# KiCad board woodpecker.kicad_pcb (continued)
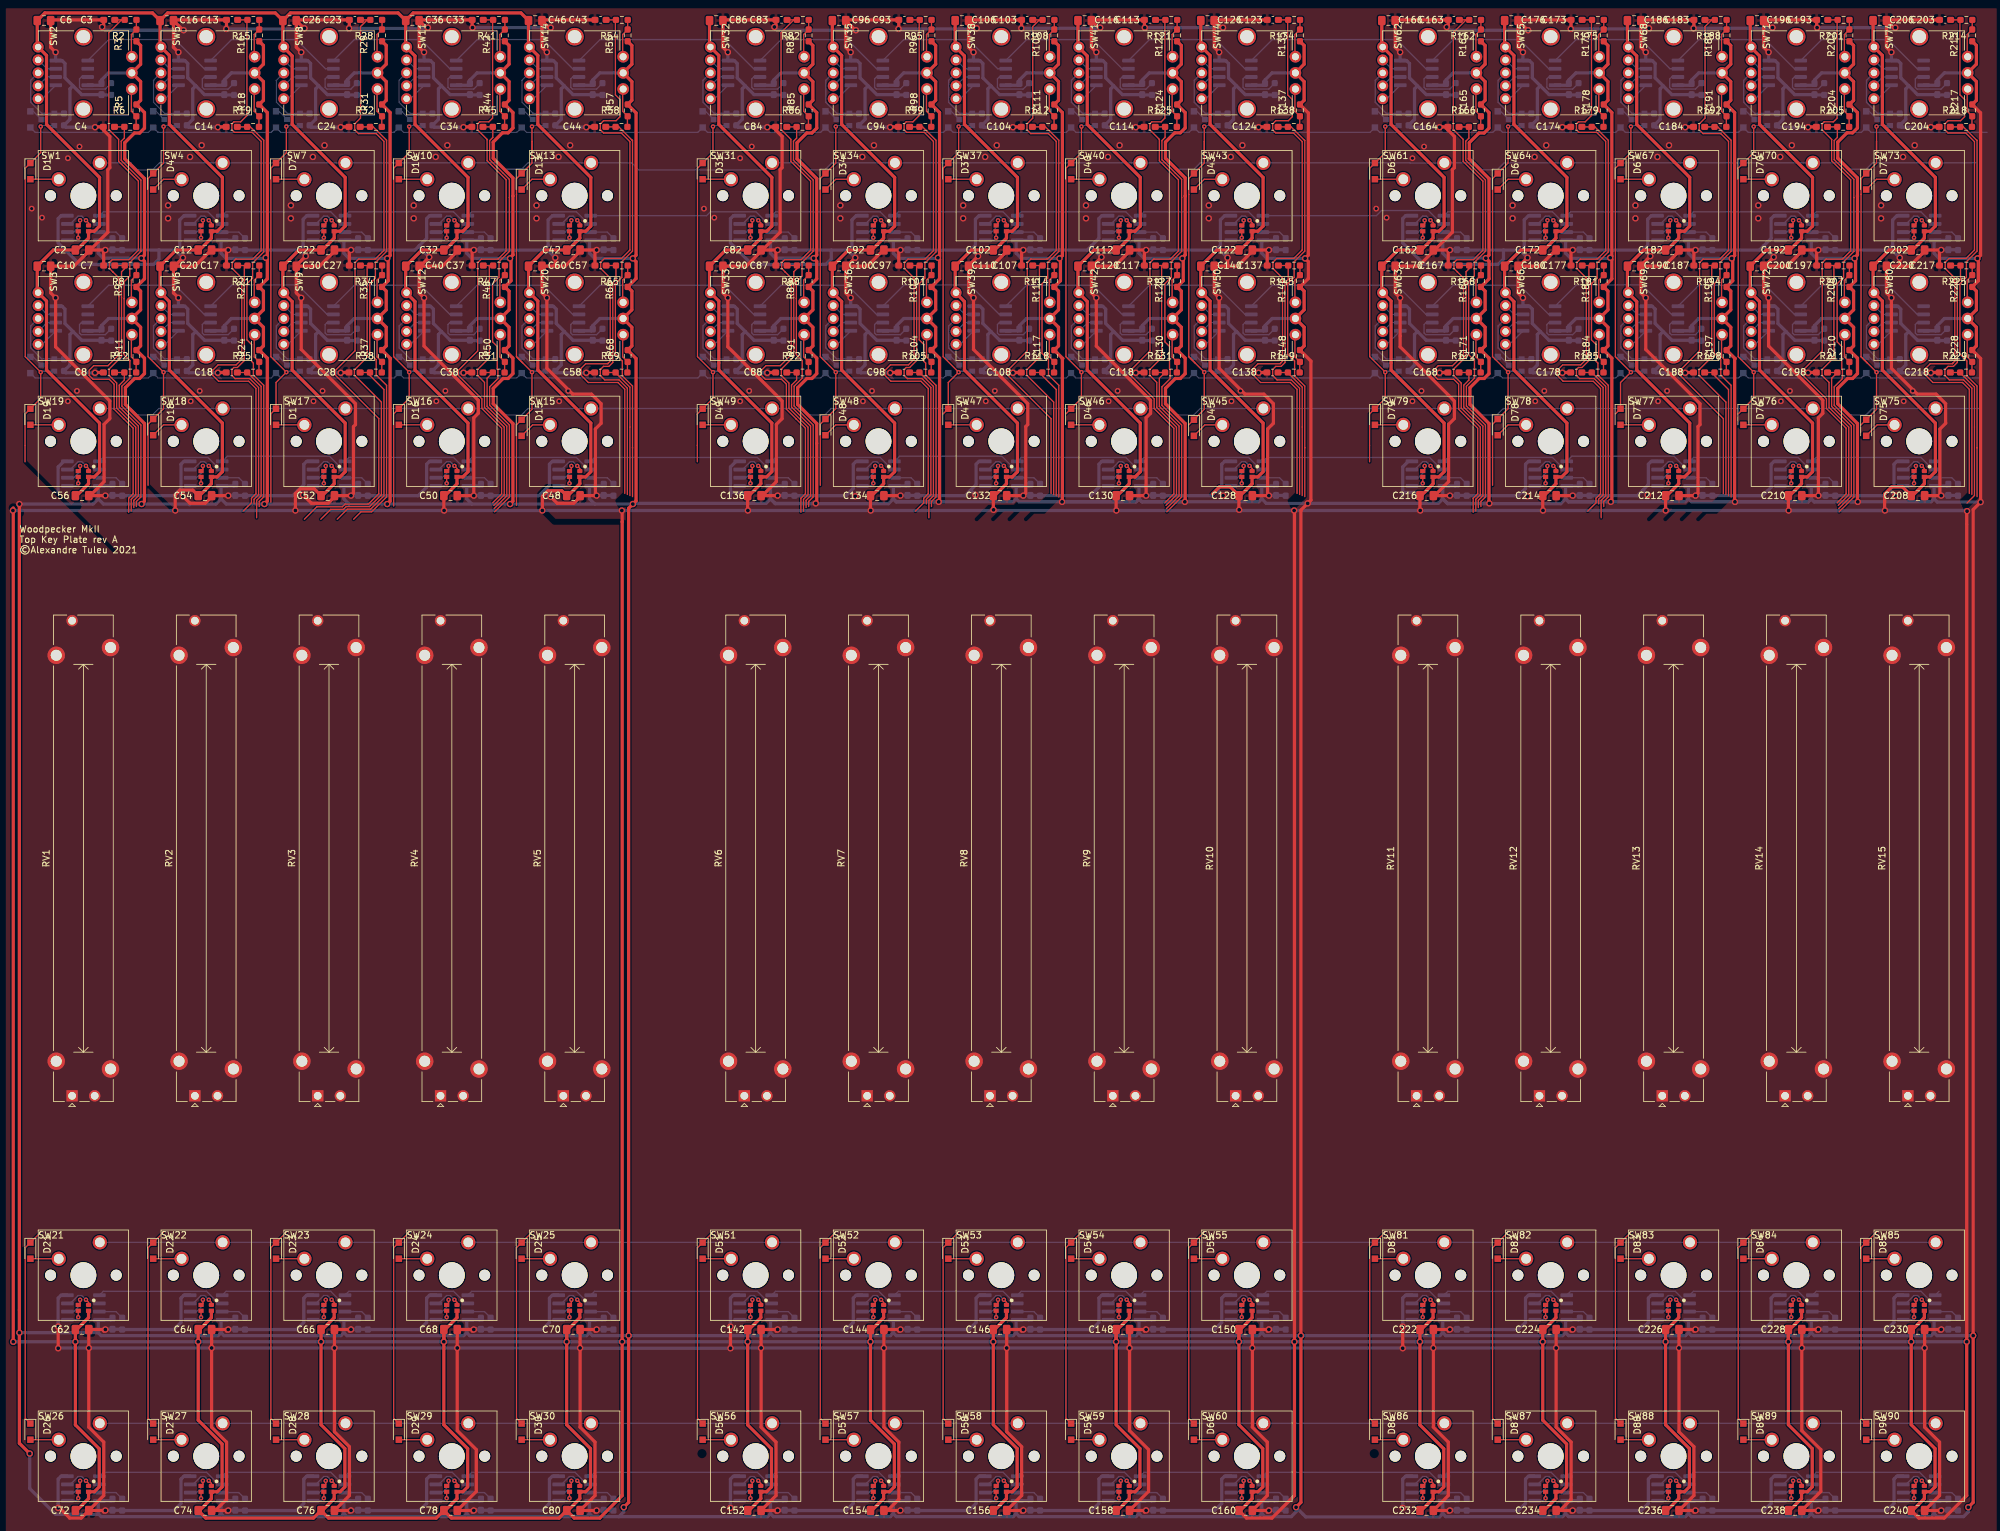
[diagram p0: board, top side]
## Routing (per net, layer and track width the routed paths; a pad name or vN(x,y) marks a point on that pad's centre or on a via; arc(x,y) is an arc through that point) (continued)
  vias: v1(21.3,201.9) v1(21.3,199.9) v1(24.7,209.4) v1(26.5,211.2) v1(40.3,201.9) v1(40.3,199.9) v1(43.7,209.4) v1(45.5,211.2) v1(59.3,201.9) v1(59.3,199.9) v1(62.7,209.4) v1(64.5,211.2) v1(78.3,201.9) v1(78.3,199.9) v1(81.7,209.4) v1(83.5,211.2) v1(125.3,201.9) v1(125.3,199.9) v1(128.7,209.4) v1(130.5,211.2) v1(144.3,201.9) v1(144.3,199.9) v1(147.7,209.4) v1(149.5,211.2) v1(163.3,201.9) v1(163.3,199.9) v1(166.7,209.4) v1(168.5,211.2) v1(182.3,201.9) v1(182.3,199.9) v1(185.7,209.4) v1(187.5,211.2) v1(229.3,201.9) v1(229.3,199.9) v1(232.7,209.4) v1(234.5,211.2) v1(248.3,201.9) v1(248.3,199.9) v1(251.7,209.4) v1(253.5,211.2) v1(267.3,201.9) v1(267.3,199.9) v1(270.7,209.4) v1(272.5,211.2) v1(286.3,201.9) v1(286.3,199.9) v1(289.7,209.4) v1(291.5,211.2) v2(0.2,201.4) v2(1.8,200) v2(5.8,209.2) v2(5.8,171.6) v2(7.2,173.2) v2(7.6,211) v2(24.8,171.6) v2(26.2,173.2) v2(43.8,171.6) v2(45.2,173.2) v2(62.8,171.6) v2(64.2,173.2) v2(81.8,171.6) v2(83.2,173.2) v2(104.2,201.4) v2(105.8,200) v2(109.8,209.2) v2(109.8,171.6) v2(111.2,173.2) v2(111.6,211) v2(128.8,171.6) v2(130.2,173.2) v2(147.8,171.6) v2(149.2,173.2) v2(166.8,171.6) v2(168.2,173.2) v2(185.8,171.6) v2(187.2,173.2) v2(208.2,201.4) v2(209.8,200) v2(213.8,209.2) v2(213.8,171.6) v2(215.2,173.2) v2(215.6,211) v2(232.8,171.6) v2(234.2,173.2) v2(251.8,171.6) v2(253.2,173.2) v2(270.8,171.6) v2(272.2,173.2) v2(289.8,171.6) v2(291.2,173.2)
(no net): length 1.7
  Bottom w0.2: 295.28,5.91 U90.5 ; 295.28,33.91 U85.5
/BottomSection_1/C1: length 90.1
  Top w0.2: v3(1.6,214.1) 1.6,210.05 D1.1 -0.8,207.65 -0.8,178.5 v3(1.6,176.1) 1.6,172.05 D19.1 -0.82,169.62 -0.82,162.24 ; 1.6,43.05 D21.1 -0.8,40.65 -0.8,14.25 D26.1
  Bottom w0.2: v3(1.6,214.1) 1.75,214.25 Q1.2 ; v3(1.6,176.1) 1.75,176.25 Q2.2
/BottomSection_1/C2: length 93.7
  Top w0.2: 18.2,158.6 18.2,168.05 D18.1 20.6,170.45 v3(20.6,176.1) 18.2,178.5 18.2,206.05 D4.1 20.6,208.45 v3(20.6,214.1) ; 20.6,43.05 D22.1 18.2,40.65 18.2,14.25 D27.1
  Bottom w0.2: Q4.2 20.75,176.25 v3(20.6,176.1) ; Q3.2 20.75,214.25 v3(20.6,214.1)
/BottomSection_1/C3: length 96.3
  Top w0.2: v3(39.6,214.1) 39.6,210.05 D7.1 37.2,207.65 37.2,178.5 v3(39.6,176.1) 38,174.5 D17.1 37.2,169.65 37.2,156 ; 39.6,43.05 D23.1 37.2,40.65 37.2,14.25 D28.1
  Bottom w0.2: v3(39.6,176.1) 39.75,176.25 Q6.2 ; v3(39.6,214.1) 39.75,214.25 Q5.2
/BottomSection_1/C4: length 96.9
  Top w0.2: v3(58.6,214.1) 58.6,210.05 D10.1 56.2,207.65 56.2,178.5 v3(58.6,176.1) 58.6,172.05 D16.1 56.2,169.65 56.2,155.4 ; 58.6,43.05 D24.1 56.2,40.65 56.2,14.25 D29.1
  Bottom w0.2: v3(58.6,214.1) 58.75,214.25 Q7.2 ; v3(58.6,176.1) 58.75,176.25 Q8.2
/BottomSection_1/C5: length 99.9
  Top w0.2: 75.2,178.5 76.15,177.55 ; 75.2,178.5 75.2,203.61 75.2,206.05 D13.1 77.6,208.45 77.6,211.8 ; 75.2,178.5 76.15,177.55 ; 76.15,177.55 v3(77.6,176.1) 77.6,170.35 D15.1 75.2,167.95 75.2,155.5 ; 77.6,211.8 77.6,210.05 ; 77.6,211.8 v3(77.6,214.1) ; 77.6,43.05 D25.1 75.2,40.65 75.2,14.25 D30.1
  Bottom w0.2: Q9.2 77.75,214.25 v3(77.6,214.1) ; v3(77.6,176.1) 77.75,176.25 Q10.2
/BottomSection_1/MX_B_2/DI: length 20
  Bottom w0.2: U21.5 11.28,33.91 27.26,33.91 29.13,32.03 U22.6
/BottomSection_1/MX_B_3/DI: length 20
  Bottom w0.2: U22.5 30.28,33.91 46.46,33.91 48.33,32.03 U23.6
/BottomSection_1/MX_B_4/DI: length 20
  Bottom w0.2: U23.5 49.28,33.91 65.46,33.91 67.33,32.03 U24.6
/BottomSection_1/MX_B_5/DI: length 20
  Bottom w0.2: U24.5 68.28,33.91 84.46,33.91 86.33,32.03 U25.6
/BottomSection_1/MX_B_7/DI: length 20
  Bottom w0.2: U26.5 11.28,5.91 27.26,5.91 29.13,4.03 U27.6
/BottomSection_1/MX_B_8/DI: length 20
  Bottom w0.2: U27.5 30.28,5.91 46.46,5.91 48.33,4.03 U28.6
/BottomSection_1/MX_B_9/DI: length 20
  Bottom w0.2: U28.5 49.28,5.91 65.26,5.91 67.13,4.03 U29.6
/BottomSection_1/MX_B_10/DI: length 20
  Bottom w0.2: U29.5 68.28,5.91 84.26,5.91 86.13,4.03 U30.6
/BottomSection_1/R5: length 284
  Bottom w0.2: SW85.5 SW84.5 SW83.5 SW82.5 SW81.5 SW55.5 SW54.5 SW53.5 SW52.5 SW51.5 SW25.5 SW24.5 SW23.5 SW22.5 SW21.5
/BottomSection_1/R6: length 284
  Bottom w0.2: SW90.5 SW89.5 SW88.5 SW87.5 SW86.5 SW60.5 SW59.5 SW58.5 SW57.5 SW56.5 SW30.5 SW29.5 SW28.5 SW27.5 SW26.5
/BottomSection_2/C1: length 90.1
  Top w0.2: 105.6,43.05 D51.1 103.2,40.65 103.2,14.25 D56.1 ; v3(105.6,214.1) 105.6,210.05 D31.1 103.2,207.65 103.2,178.5 v3(105.6,176.1) 105.6,172.05 D49.1 103.17,169.62 103.17,162.24
  Bottom w0.2: v3(105.6,176.1) 105.75,176.25 Q12.2 ; v3(105.6,214.1) 105.75,214.25 Q11.2
/BottomSection_2/C2: length 93.7
  Top w0.2: 124.6,43.05 D52.1 122.2,40.65 122.2,14.25 D57.1 ; v3(124.6,214.1) 124.6,208.45 D34.1 122.2,206.05 122.2,178.5 v3(124.6,176.1) 124.6,170.45 D48.1 122.2,168.05 122.2,158.6
  Bottom w0.2: v3(124.6,214.1) 124.75,214.25 Q13.2 ; v3(124.6,176.1) 124.75,176.25 Q14.2
/BottomSection_2/C3: length 82.7
  Top w0.2: 143.6,43.05 D53.1 141.2,40.65 141.2,14.25 D58.1 ; v3(143.6,214.1) 143.6,210.05 D37.1 141.2,207.65 141.2,178.5 v3(143.6,176.1) 142,174.5 D47.1 141.2,169.65
  Bottom w0.2: v3(143.6,214.1) 143.75,214.25 Q15.2 ; v3(143.6,176.1) 143.75,176.25 Q16.2
/BottomSection_2/C4: length 82.7
  Top w0.2: 162.6,43.05 D54.1 160.2,40.65 160.2,14.25 D59.1 ; v3(162.6,214.1) 162.6,210.05 D40.1 160.2,207.65 160.2,178.5 v3(162.6,176.1) 162.6,172.05 D46.1 160.2,169.65
  Bottom w0.2: v3(162.6,214.1) 162.75,214.25 Q17.2 ; v3(162.6,176.1) 162.75,176.25 Q18.2
/BottomSection_2/C5: length 87.5
  Top w0.2: 181.6,43.05 D55.1 179.2,40.65 179.2,14.25 D60.1 ; 181.6,211.8 181.6,208.45 D43.1 179.2,206.05 179.2,203.61 179.2,178.5 ; 181.6,211.8 181.6,210.05 ; 181.6,211.8 v3(181.6,214.1) ; 179.2,178.5 180.15,177.55 ; 179.2,178.5 180.15,177.55 ; 180.15,177.55 v3(181.6,176.1) 181.6,170.35 D45.1 179.2,167.95
  Bottom w0.2: v3(181.6,214.1) 181.75,214.25 Q19.2 ; v3(181.6,176.1) 181.75,176.25 Q20.2
/BottomSection_2/DI5: length 29
  Bottom w0.2: U25.5 87.28,33.91 112.46,33.91 114.33,32.03 U51.6
/BottomSection_2/DI6: length 29
  Bottom w0.2: U30.5 87.28,5.91 112.46,5.91 114.33,4.03 U56.6
/BottomSection_2/MX_B_2/DI: length 20
  Bottom w0.2: U51.5 115.28,33.91 131.26,33.91 133.13,32.03 U52.6
/BottomSection_2/MX_B_3/DI: length 20
  Bottom w0.2: U52.5 134.28,33.91 150.46,33.91 152.33,32.03 U53.6
/BottomSection_2/MX_B_4/DI: length 20
  Bottom w0.2: U53.5 153.28,33.91 169.46,33.91 171.33,32.03 U54.6
/BottomSection_2/MX_B_5/DI: length 20
  Bottom w0.2: U54.5 172.28,33.91 188.46,33.91 190.33,32.03 U55.6
/BottomSection_2/MX_B_7/DI: length 20
  Bottom w0.2: U56.5 115.28,5.91 131.26,5.91 133.13,4.03 U57.6
/BottomSection_2/MX_B_8/DI: length 20
  Bottom w0.2: U57.5 134.28,5.91 150.46,5.91 152.33,4.03 U58.6
/BottomSection_2/MX_B_9/DI: length 20
  Bottom w0.2: U58.5 153.28,5.91 169.26,5.91 171.13,4.03 U59.6
/BottomSection_2/MX_B_10/DI: length 20
  Bottom w0.2: U59.5 172.28,5.91 188.26,5.91 190.13,4.03 U60.6
/BottomSection_3/C1: length 90.1
  Top w0.2: 209.6,43.05 D81.1 207.2,40.65 207.2,14.25 D86.1 ; v3(209.6,214.1) 209.6,210.05 D61.1 207.2,207.65 207.2,178.5 v3(209.6,176.1) 209.6,172.05 D79.1 207.17,169.62 207.17,162.24
  Bottom w0.2: v3(209.6,176.1) 209.75,176.25 Q22.2 ; v3(209.6,214.1) 209.75,214.25 Q21.2
/BottomSection_3/C2: length 93.7
  Top w0.2: 228.6,43.05 D82.1 226.2,40.65 226.2,14.25 D87.1 ; v3(228.6,214.1) 228.6,208.45 D64.1 226.2,206.05 226.2,178.5 v3(228.6,176.1) 228.6,170.45 D78.1 226.2,168.05 226.2,158.6
  Bottom w0.2: v3(228.6,214.1) 228.75,214.25 Q23.2 ; v3(228.6,176.1) 228.75,176.25 Q24.2
/BottomSection_3/C3: length 82.7
  Top w0.2: 247.6,43.05 D83.1 245.2,40.65 245.2,14.25 D88.1 ; v3(247.6,214.1) 247.6,210.05 D67.1 245.2,207.65 245.2,178.5 v3(247.6,176.1) 246,174.5 D77.1 245.2,169.65
  Bottom w0.2: v3(247.6,214.1) 247.75,214.25 Q25.2 ; v3(247.6,176.1) 247.75,176.25 Q26.2
/BottomSection_3/C4: length 82.7
  Top w0.2: 266.6,43.05 D84.1 264.2,40.65 264.2,14.25 D89.1 ; v3(266.6,214.1) 266.6,210.05 D70.1 264.2,207.65 264.2,178.5 v3(266.6,176.1) 266.6,172.05 D76.1 264.2,169.65
  Bottom w0.2: v3(266.6,214.1) 266.75,214.25 Q27.2 ; v3(266.6,176.1) 266.75,176.25 Q28.2
/BottomSection_3/C5: length 87.5
  Top w0.2: 285.6,43.05 D85.1 283.2,40.65 283.2,14.25 D90.1 ; 285.6,211.8 285.6,208.45 D73.1 283.2,206.05 283.2,203.61 283.2,178.5 ; 285.6,211.8 285.6,210.05 ; 285.6,211.8 v3(285.6,214.1) ; 283.2,178.5 284.15,177.55 ; 283.2,178.5 284.15,177.55 ; 284.15,177.55 v3(285.6,176.1) 285.6,170.35 D75.1 283.2,167.95
  Bottom w0.2: v3(285.6,214.1) 285.75,214.25 Q29.2 ; v3(285.6,176.1) 285.75,176.25 Q30.2
/BottomSection_3/DI5: length 29
  Bottom w0.2: U55.5 191.28,33.91 216.46,33.91 218.33,32.03 U81.6
/BottomSection_3/DI6: length 29
  Bottom w0.2: U60.5 191.28,5.91 216.46,5.91 218.33,4.03 U86.6
/BottomSection_3/MX_B_2/DI: length 20
  Bottom w0.2: U81.5 219.28,33.91 235.26,33.91 237.13,32.03 U82.6
/BottomSection_3/MX_B_3/DI: length 20
  Bottom w0.2: U82.5 238.28,33.91 254.46,33.91 256.33,32.03 U83.6
/BottomSection_3/MX_B_4/DI: length 20
  Bottom w0.2: U83.5 257.28,33.91 273.46,33.91 275.33,32.03 U84.6
/BottomSection_3/MX_B_5/DI: length 20
  Bottom w0.2: U84.5 276.28,33.91 292.46,33.91 294.33,32.03 U85.6
/BottomSection_3/MX_B_7/DI: length 20
  Bottom w0.2: U86.5 219.28,5.91 235.26,5.91 237.13,4.03 U87.6
/BottomSection_3/MX_B_8/DI: length 20
  Bottom w0.2: U87.5 238.28,5.91 254.46,5.91 256.33,4.03 U88.6
/BottomSection_3/MX_B_9/DI: length 20
  Bottom w0.2: U88.5 257.28,5.91 273.26,5.91 275.13,4.03 U89.6
/BottomSection_3/MX_B_10/DI: length 20
  Bottom w0.2: U89.5 276.28,5.91 292.26,5.91 294.13,4.03 U90.6
/TopSection_1/MX_2/DI: length 20
  Bottom w0.2: U4.6 29.33,199.03 27.46,200.91 11.28,200.91 U1.5
/TopSection_1/MX_3/DI: length 20
  Bottom w0.2: U4.5 30.28,200.91 46.46,200.91 48.33,199.03 U7.6
/TopSection_1/MX_4/DI: length 20
  Bottom w0.2: U10.6 67.33,199.03 65.46,200.91 49.28,200.91 U7.5
/TopSection_1/MX_5/DI: length 20
  Bottom w0.2: U13.6 86.33,199.03 84.46,200.91 68.28,200.91 U10.5
/TopSection_1/MX_7/DI: length 20
  Bottom w0.2: U18.6 29.33,161.04 27.46,162.91 11.28,162.91 U19.5
/TopSection_1/MX_8/DI: length 20.2
  Bottom w0.2: U17.6 48.33,161.04 46.27,163.1 30.47,163.1 U18.5
/TopSection_1/MX_9/DI: length 20
  Bottom w0.2: U17.5 49.28,162.91 65.46,162.91 67.33,161.04 U16.6
/TopSection_1/MX_10/DI: length 20
  Bottom w0.2: U15.6 86.33,161.04 84.46,162.91 68.28,162.91 U16.5
/TopSection_1/PEL12T_2/DI: length 22.2
  Bottom w0.2: U2.5 12.12,227.55 22.38,227.55 26.9,223.03 U5.6
/TopSection_1/PEL12T_3/DI: length 22.2
  Bottom w0.2: U8.6 45.65,223.03 41.13,227.55 31.12,227.55 U5.5
/TopSection_1/PEL12T_4/DI: length 22.2
  Bottom w0.2: U11.6 64.9,223.03 60.38,227.55 50.12,227.55 U8.5
/TopSection_1/PEL12T_5/DI: length 22.2
  Bottom w0.2: U11.5 69.12,227.55 79.38,227.55 83.9,223.03 U14.6
/TopSection_1/PEL12T_7/DI: length 22.2
  Bottom w0.2: U3.5 12.12,189.55 22.38,189.55 26.9,185.04 U6.6
/TopSection_1/PEL12T_8/DI: length 22.3
  Bottom w0.2: U9.6 45.9,185.04 41.34,189.6 31.17,189.6 U6.5
/TopSection_1/PEL12T_9/DI: length 22.2
  Bottom w0.2: U9.5 50.12,189.55 60.38,189.55 64.9,185.04 U12.6
/TopSection_1/PEL12T_10/DI: length 22.2
  Bottom w0.2: U12.5 69.12,189.55 79.38,189.55 83.9,185.04 U20.6
/TopSection_1/QA1: length 65.2
  Top w0.2: 16.4,155.32 16.4,156.1 17.1,156.8 17.1,167.92 14.15,170.87 14.15,173.93 15.4,175.18 15.4,177.9 14.5,178.8 14.5,187.48 14.5,190.1 15.38,190.98 15.38,193.08 17.1,194.8 17.1,194.9 17.1,205.82 14.05,208.87 14.05,211.83 14.54,212.32 R6.1 C4.1
/TopSection_1/QA2: length 64
  Top w0.2: C14.1 R19.1 34.03,214.05 36.1,211.98 36.1,194.7 34.38,192.98 34.38,190.65 33.5,189.78 33.5,181.1 34.22,180.38 34.22,177.78 34.5,177.5 34.5,175.66 36.1,174.06 36.1,156.8 35.4,156.1 35.4,155.32
/TopSection_1/QA3: length 68.8
  Top w0.2: 50.01,153.35 51.16,154.5 52.8,154.5 55.1,156.8 55.1,174.06 53.5,175.66 53.5,178.02 52.5,179.02 52.5,189.78 53.38,190.65 53.38,193.06 55.1,194.78 55.1,211.98 53.03,214.05 R32.1 C24.1
/TopSection_1/QA4: length 66.7
  Top w0.2: C34.1 R45.1 71.54,212.42 71.05,211.93 71.05,208.97 74.1,205.92 74.1,194.78 72.5,193.18 72.5,190.78 71.5,189.78 71.5,180.8 72.22,180.08 72.22,176.61 72.33,176.51 72.33,175.1 71.05,173.83 71.05,170.97 74.1,167.92 74.1,156.78 71.82,154.5
/TopSection_1/QA5: length 62.4
  Top w0.2: 93.15,156.85 93.15,164.45 ; 93.15,164.45 93.15,164.35 ; 93.15,164.45 93.15,173.95 91.57,175.53 91.57,177.83 90.5,178.9 90.5,189.78 91.5,190.78 91.5,193.18 93.15,194.83 93.15,211.95 93.12,211.98 93.1,211.98 91.03,214.05 R58.1 C44.1
/TopSection_1/QA6: length 24.3
  Top w0.2: R12.1 14.55,176.05 ; R12.1 C8.1 ; R12.1 14.54,174.88 13.75,174.09 13.75,170.71 16.7,167.76 16.7,156.97 16,156.27 16,155.15
/TopSection_1/QA7: length 25.2
  Top w0.2: C18.1 R25.1 33.55,176.05 35.7,173.9 35.7,156.97 35,156.27 35,153.58
/TopSection_1/QA8: length 30.2
  Top w0.2: 47.47,153.35 49.02,154.9 52.63,154.9 54.7,156.97 54.7,173.41 52.54,175.57 R38.1 C28.1
/TopSection_1/QA9: length 25
  Top w0.2: 71.75,155 73.7,156.95 73.7,167.76 70.65,170.81 70.65,175.16 R51.1 ; R51.1 C38.1 ; R51.1 71.55,176.05
/TopSection_1/QA10: length 21.5
  Top w0.2: C58.1 R69.1 90.54,176 92.75,173.78 92.75,157.02
/TopSection_1/QB1: length 92.7
  Top w0.2: 12.73,191.63 12.22,192.14 12.22,193.06 12.66,193.5 15.23,193.5 16.7,194.97 16.7,205.66 13.65,208.71 13.65,212.11 12.13,213.64 12.13,228.63 14.1,230.6 R2.2 C3.1 ; 12.73,191.63 13.7,190.66 13.7,187.81 13.7,178.8 12,177.1 9.8,177.1 9.1,176.4 9.1,175.6 9.7,175 12.2,175 12.95,174.25 12.95,170.38 15.9,167.43 15.9,157.3 15.2,156.6 ; 12.73,191.63 12.76,191.6 ; 15.2,156.6 15.2,156.6 ; 15.2,156.6 15.2,154.43
/TopSection_1/QB2: length 96.4
  Top w0.2: C13.1 R15.2 33.5,230.51 33.5,215.8 32.53,214.83 31.49,214.83 31.17,214.51 31.17,213.59 31.56,213.2 34.3,213.2 35.7,211.8 35.7,194.9 34.4,193.6 31.76,193.6 31.22,193.06 31.22,192.14 32.7,190.66 32.7,178.1 31.83,177.23 29.04,177.23 28.2,176.38 28.2,175.62 29.12,174.7 33.77,174.7 34.9,173.57 34.9,157.3 34.2,156.6 34.2,155.89 32.91,154.6
/TopSection_1/QB3: length 100.1
  Top w0.2: 42.39,153.35 44.31,155.27 48.26,155.27 48.69,155.7 52.3,155.7 53.9,157.3 53.9,168.92 47.2,175.62 47.2,176.38 50.22,179.41 50.22,193.06 50.76,193.6 53.35,193.6 54.7,194.95 54.7,211.8 53.5,213 50.76,213 50.17,213.59 50.17,214.51 51.06,215.4 51.06,229.56 52.1,230.6 R28.2 C23.1
/TopSection_1/QB4: length 87.8
  Top w0.2: 71.52,155.9 72.9,157.28 72.9,167.43 69.85,170.48 69.85,171.97 66.2,175.62 66.2,176.38 69.2,179.38 69.2,193.04 69.76,193.6 72.35,193.6 73.6,194.85 73.6,205.86 70.65,208.81 70.65,212.09 70.66,212.1 69.17,213.59 69.17,214.51 69.49,214.83 70.93,214.83 71.5,215.4 71.5,230.51 R41.2 C33.1
/TopSection_1/QB5: length 94.4
  Top w0.2: C43.1 R54.2 90.5,230.51 90.5,219 91.22,218.28 91.22,215.62 90.6,215 88.66,215 88.17,214.51 88.17,213.59 88.66,213.1 91.41,213.1 92.75,211.76 92.75,195 91.45,193.7 88.81,193.7 88.22,193.11 88.22,192.14 89.7,190.66 89.7,177.8 89.4,177.5 89.4,177.47 89.33,177.4 85.9,177.4 85.2,176.7 85.2,175.62 86.32,174.5 90.9,174.5 90.9,174.5 91.95,173.45 91.95,157.35
/TopSection_1/QB6: length 42.5
  Top w0.2: 15.6,154.6 15.6,156.43 16.3,157.13 16.3,167.59 13.35,170.54 13.35,174.41 12.17,175.59 12.17,176.57 14.1,178.5 14.1,187.64 14.1,191.64 14.59,192.12 R8.2 C7.1
/TopSection_1/QB7: length 43.3
  Top w0.2: 34.6,155.72 34.6,156.43 35.3,157.13 35.3,173.73 33.93,175.1 31.66,175.1 31.17,175.59 31.17,176.51 31.49,176.83 32.03,176.83 33.1,177.9 33.1,192.6 R21.2 C17.1
/TopSection_1/QB8: length 51
  Top w0.2: C27.1 R34.2 52.1,192.6 52.1,178.44 50.13,176.46 50.13,175.64 54.3,171.46 54.3,157.13 52.47,155.3 48.85,155.3 48.43,154.87 46.45,154.87 44.93,153.35
/TopSection_1/QB9: length 42.3
  Top w0.2: C37.1 R47.2 71.1,192.6 71,192.5 71,178.34 69.17,176.51 69.17,175.59 70.25,174.51 70.25,170.64 73.3,167.59 73.3,157.12 71.68,155.5
/TopSection_1/QB10: length 41.5
  Top w0.2: C57.1 R65.2 90.59,190.43 90.1,189.94 90.1,177.6 89.5,177 88.66,177 88.17,176.51 88.17,175.59 88.86,174.9 91.07,174.9 92.35,173.62 92.35,157.18
/TopSection_1/R1: length 311.7
  Bottom w0.2: D2.2 0.75,213.2 18.25,213.2 D5.2 19.75,213.2 37.25,213.2 D8.2 38.75,213.2 56.25,213.2 D11.2 57.75,213.2 75.25,213.2 D14.2 76.75,213.2 103.25,213.2 D32.2 104.75,213.2 122.25,213.2 D35.2 123.75,213.2 141.25,213.2 D38.2 142.75,213.2 160.25,213.2 D41.2 161.75,213.2 179.25,213.2 D44.2 180.75,213.2 207.25,213.2 D62.2 208.75,213.2 226.25,213.2 D65.2 227.75,213.2 245.25,213.2 D68.2 246.75,213.2 264.25,213.2 D71.2 265.75,213.2 283.25,213.2 D74.2 284.75,213.2 302.7,213.2
/TopSection_1/R2: length 296.6
  Bottom w0.2: SW1.5 15.52,208.48 16.6,207.4 18.9,207.4 19.98,208.48 SW4.5 SW7.5 SW10.5 72.42,208.48 73.4,207.5 76,207.5 76.98,208.48 SW13.5 93.02,208.48 ; 301.14,208.48 SW73.5 284.98,208.48 284,207.5 281.4,207.5 280.42,208.48 SW70.5 SW67.5 SW64.5 227.98,208.48 226.9,207.4 224.6,207.4 223.52,208.48 SW61.5 218.71,208.45 213.44,208.45 213.41,208.48 SW43.5 180.98,208.48 180,207.5 177.4,207.5 176.42,208.48 SW40.5 SW37.5 SW34.5 123.98,208.48 122.9,207.4 120.6,207.4 119.52,208.48 SW31.5 113.64,207.38 94.12,207.38 93.02,208.48 ; 93.02,208.48 93.14,208.48
/TopSection_1/R3: length 310.5
  Bottom w0.2: D3.2 0.75,175.2 18.25,175.2 D6.2 19.75,175.2 37.25,175.2 D9.2 38.75,175.2 56.25,175.2 D12.2 57.75,175.2 75.25,175.2 D20.2 76.75,175.2 103.25,175.2 D33.2 104.75,175.2 122.25,175.2 D36.2 123.75,175.2 141.25,175.2 D39.2 142.75,175.2 160.25,175.2 D42.2 161.75,175.2 179.25,175.2 D50.2 180.75,175.2 207.25,175.2 D63.2 208.75,175.2 226.25,175.2 D66.2 227.75,175.2 245.25,175.2 D69.2 246.75,175.2 264.25,175.2 D72.2 265.75,175.2 283.25,175.2 D80.2 284.75,175.2 301.5,175.2
/TopSection_1/R4: length 302.7
  Bottom w0.2: SW19.5 15.52,170.48 16.5,169.5 18.9,169.5 19.88,170.48 SW18.5 SW17.5 SW16.5 72.42,170.48 73.4,169.5 76,169.5 76.98,170.48 SW15.5 ; SW15.5 93.54,170.48 ; SW15.5 SW49.5 119.52,170.48 120.5,169.5 122.9,169.5 123.88,170.48 SW48.5 SW47.5 SW46.5 176.42,170.48 177.4,169.5 180,169.5 180.98,170.48 SW45.5 197.32,170.48 ; 301.54,170.48 SW75.5 284.98,170.48 284,169.5 281.4,169.5 280.42,170.48 SW76.5 SW77.5 SW78.5 227.88,170.48 226.9,169.5 224.5,169.5 223.52,170.48 SW79.5 197.32,170.48 ; 197.32,170.48 197.54,170.48
/TopSection_2/DI1: length 31.2
  Bottom w0.2: U14.5 88.12,227.55 107.38,227.55 111.9,223.03 112.88,223.03
/TopSection_2/DI2: length 29
  Bottom w0.2: U31.6 114.13,199.03 112.26,200.91 105.21,200.91 104.61,200.31 U13.5
/TopSection_2/DI3: length 31.2
  Bottom w0.2: U20.5 88.12,189.55 107.38,189.55 111.9,185.04 112.88,185.04
/TopSection_2/DI4: length 29
  Bottom w0.2: U15.5 87.28,162.91 112.46,162.91 114.33,161.04 U49.6
/TopSection_2/MX_2/DI: length 20
  Bottom w0.2: U31.5 115.28,200.91 131.46,200.91 133.33,199.03 U34.6
/TopSection_2/MX_3/DI: length 20
  Bottom w0.2: U34.5 134.28,200.91 150.46,200.91 152.33,199.03 U37.6
/TopSection_2/MX_4/DI: length 20
  Bottom w0.2: U37.5 153.28,200.91 169.46,200.91 171.33,199.03 U40.6
/TopSection_2/MX_5/DI: length 20
  Bottom w0.2: U40.5 172.28,200.91 188.46,200.91 190.33,199.03 U43.6
/TopSection_2/MX_7/DI: length 20
  Bottom w0.2: U49.5 115.28,162.91 131.46,162.91 133.33,161.04 U48.6
/TopSection_2/MX_8/DI: length 20.2
  Bottom w0.2: U47.6 152.33,161.04 150.27,163.1 134.47,163.1 U48.5
/TopSection_2/MX_9/DI: length 20
  Bottom w0.2: U47.5 153.28,162.91 169.46,162.91 171.33,161.04 U46.6
/TopSection_2/MX_10/DI: length 20
  Bottom w0.2: U46.5 172.28,162.91 188.46,162.91 190.33,161.04 U45.6
/TopSection_2/PEL12T_2/DI: length 22.2
  Bottom w0.2: 112.88,224.31 116.12,227.55 126.38,227.55 130.9,223.03 131.88,223.03
/TopSection_2/PEL12T_3/DI: length 22.2
  Bottom w0.2: 131.88,224.31 135.12,227.55 145.13,227.55 149.65,223.03 150.88,223.03
/TopSection_2/PEL12T_4/DI: length 22.2
  Bottom w0.2: 150.88,224.31 154.12,227.55 164.38,227.55 168.9,223.03 169.88,223.03
/TopSection_2/PEL12T_5/DI: length 22.2
  Bottom w0.2: 169.88,224.31 173.12,227.55 183.38,227.55 187.9,223.03 188.88,223.03
/TopSection_2/PEL12T_7/DI: length 22.2
  Bottom w0.2: 112.88,186.31 116.12,189.55 126.38,189.55 130.9,185.04 131.88,185.04
/TopSection_2/PEL12T_8/DI: length 22.3
  Bottom w0.2: 131.88,186.31 135.17,189.6 145.33,189.6 149.9,185.04 150.88,185.04
/TopSection_2/PEL12T_9/DI: length 22.2
  Bottom w0.2: 150.88,186.31 154.12,189.55 164.38,189.55 168.9,185.04 169.88,185.04
/TopSection_2/PEL12T_10/DI: length 22.2
  Bottom w0.2: 169.88,186.31 173.12,189.55 183.38,189.55 187.9,185.04 188.88,185.04
/TopSection_2/QA1: length 65.2
  Top w0.2: C84.1 R86.1 118.54,212.32 118.05,211.83 118.05,208.87 121.1,205.82 121.1,194.8 119.38,193.08 119.38,190.98 118.5,190.1 118.5,187.48 118.5,178.8 119.4,177.9 119.4,175.18 118.15,173.93 118.15,170.87 121.1,167.92 121.1,156.8 120.4,156.1 120.4,155.32
/TopSection_2/QA2: length 64
  Top w0.2: C94.1 R99.1 138.02,214.05 140.1,211.98 140.1,194.7 138.38,192.98 138.38,190.65 137.5,189.78 137.5,181.1 138.22,180.38 138.22,177.78 138.5,177.5 138.5,175.66 140.1,174.06 140.1,156.8 139.4,156.1 139.4,155.32
/TopSection_2/QA3: length 62.3
  Top w0.2: C104.1 R112.1 157.02,214.05 159.1,211.98 159.1,194.78 157.38,193.06 157.38,190.65 156.5,189.78 156.5,179.02 157.5,178.02 157.5,175.66 159.1,174.06 159.1,156.8
/TopSection_2/QA4: length 66.7
  Top w0.2: C114.1 R125.1 175.54,212.42 175.05,211.93 175.05,208.97 178.1,205.92 178.1,194.78 176.5,193.18 176.5,190.78 175.5,189.78 175.5,180.8 176.22,180.08 176.22,176.61 176.33,176.51 176.33,175.1 175.05,173.83 175.05,170.97 178.1,167.92 178.1,156.78 175.82,154.5
/TopSection_2/QA5: length 62.4
  Top w0.2: C124.1 R138.1 195.02,214.05 197.1,211.98 197.12,211.98 197.15,211.95 197.15,194.83 195.5,193.18 195.5,190.78 194.5,189.78 194.5,178.9 195.57,177.83 195.57,175.53 197.15,173.95 197.15,164.45 ; 197.15,164.45 197.15,164.35 ; 197.15,164.45 197.15,156.85
/TopSection_2/QA6: length 24.3
  Top w0.2: C88.1 R92.1 ; R92.1 118.55,176.05 ; R92.1 118.54,174.88 117.75,174.09 117.75,170.71 120.7,167.76 120.7,156.97 120,156.27 120,155.15
/TopSection_2/QA7: length 25.2
  Top w0.2: C98.1 R105.1 137.55,176.05 139.7,173.9 139.7,156.97 139,156.27 139,153.58
/TopSection_2/QA8: length 21.5
  Top w0.2: C108.1 R118.1 156.54,175.57 158.7,173.41 158.7,156.97
/TopSection_2/QA9: length 25
  Top w0.2: C118.1 R131.1 ; R131.1 175.55,176.05 ; R131.1 174.65,175.16 174.65,170.81 177.7,167.76 177.7,156.95 175.75,155
/TopSection_2/QA10: length 21.5
  Top w0.2: C138.1 R149.1 194.54,176 196.75,173.78 196.75,157.02
/TopSection_2/QB1: length 92.7
  Top w0.2: C83.1 R82.2 118.1,230.6 116.13,228.63 116.13,213.64 117.65,212.11 117.65,208.71 120.7,205.66 120.7,194.97 119.23,193.5 116.66,193.5 116.22,193.06 116.22,192.14 116.73,191.63 ; 116.73,191.63 116.76,191.6 ; 116.73,191.63 117.7,190.66 117.7,187.81 117.7,178.8 116,177.1 113.8,177.1 113.1,176.4 113.1,175.6 113.7,175 116.2,175 116.95,174.25 116.95,170.38 119.9,167.43 119.9,157.3 119.2,156.6 ; 119.2,156.6 119.2,156.6 ; 119.2,156.6 119.2,154.43
/TopSection_2/QB2: length 96.4
  Top w0.2: C93.1 R95.2 137.5,230.51 137.5,215.8 136.53,214.83 135.49,214.83 135.17,214.51 135.17,213.59 135.56,213.2 138.3,213.2 139.7,211.8 139.7,194.9 138.4,193.6 135.76,193.6 135.22,193.06 135.22,192.14 136.7,190.66 136.7,178.1 135.83,177.23 133.04,177.23 132.2,176.38 132.2,175.62 133.12,174.7 137.77,174.7 138.9,173.57 138.9,157.3 138.2,156.6 138.2,155.89 136.91,154.6
/TopSection_2/QB3: length 87
  Top w0.2: C103.1 R108.2 156.1,230.6 155.06,229.56 155.06,215.4 154.17,214.51 154.17,213.59 154.76,213 157.5,213 158.7,211.8 158.7,194.95 157.35,193.6 154.76,193.6 154.22,193.06 154.22,179.41 151.2,176.38 151.2,175.62 157.9,168.92 157.9,157.3
/TopSection_2/QB4: length 87.8
  Top w0.2: C113.1 R121.2 175.5,230.51 175.5,215.4 174.93,214.83 173.49,214.83 173.17,214.51 173.17,213.59 174.66,212.1 174.65,212.09 174.65,208.81 177.6,205.86 177.6,194.85 176.35,193.6 173.76,193.6 173.2,193.04 173.2,179.38 170.2,176.38 170.2,175.62 173.85,171.97 173.85,170.48 176.9,167.43 176.9,157.28 175.52,155.9
/TopSection_2/QB5: length 94.4
  Top w0.2: C123.1 R134.2 194.5,230.51 194.5,219 195.22,218.28 195.22,215.62 194.6,215 192.66,215 192.17,214.51 192.17,213.59 192.66,213.1 195.41,213.1 196.75,211.76 196.75,195 195.45,193.7 192.81,193.7 192.22,193.11 192.22,192.14 193.7,190.66 193.7,177.8 193.4,177.5 193.4,177.47 193.33,177.4 189.9,177.4 189.2,176.7 189.2,175.62 190.32,174.5 194.9,174.5 194.9,174.5 195.95,173.45 195.95,157.35
/TopSection_2/QB6: length 42.5
  Top w0.2: C87.1 R88.2 118.59,192.12 118.1,191.64 118.1,187.64 118.1,178.5 116.17,176.57 116.17,175.59 117.35,174.41 117.35,170.54 120.3,167.59 120.3,157.13 119.6,156.43 119.6,154.6
/TopSection_2/QB7: length 43.3
  Top w0.2: C97.1 R101.2 137.1,192.6 137.1,177.9 136.03,176.83 135.49,176.83 135.17,176.51 135.17,175.59 135.66,175.1 137.93,175.1 139.3,173.73 139.3,157.13 138.6,156.43 138.6,155.72
/TopSection_2/QB8: length 40
  Top w0.2: C107.1 R114.2 156.1,192.6 156.1,178.44 154.13,176.46 154.13,175.64 158.3,171.46 158.3,157.13
